# Altium PCB Bike_Gps_v1.PcbDoc
Units mil, origin at the board's own origin, x right, y up, seen from the top; angles counter-clockwise.
Board outline 1968.5 x 2559.06 mil, 2 copper layers (Top Layer, Bottom Layer), stack 61.855 mil thick; 66 components, 50 nets, 256 pads, 54 vias.
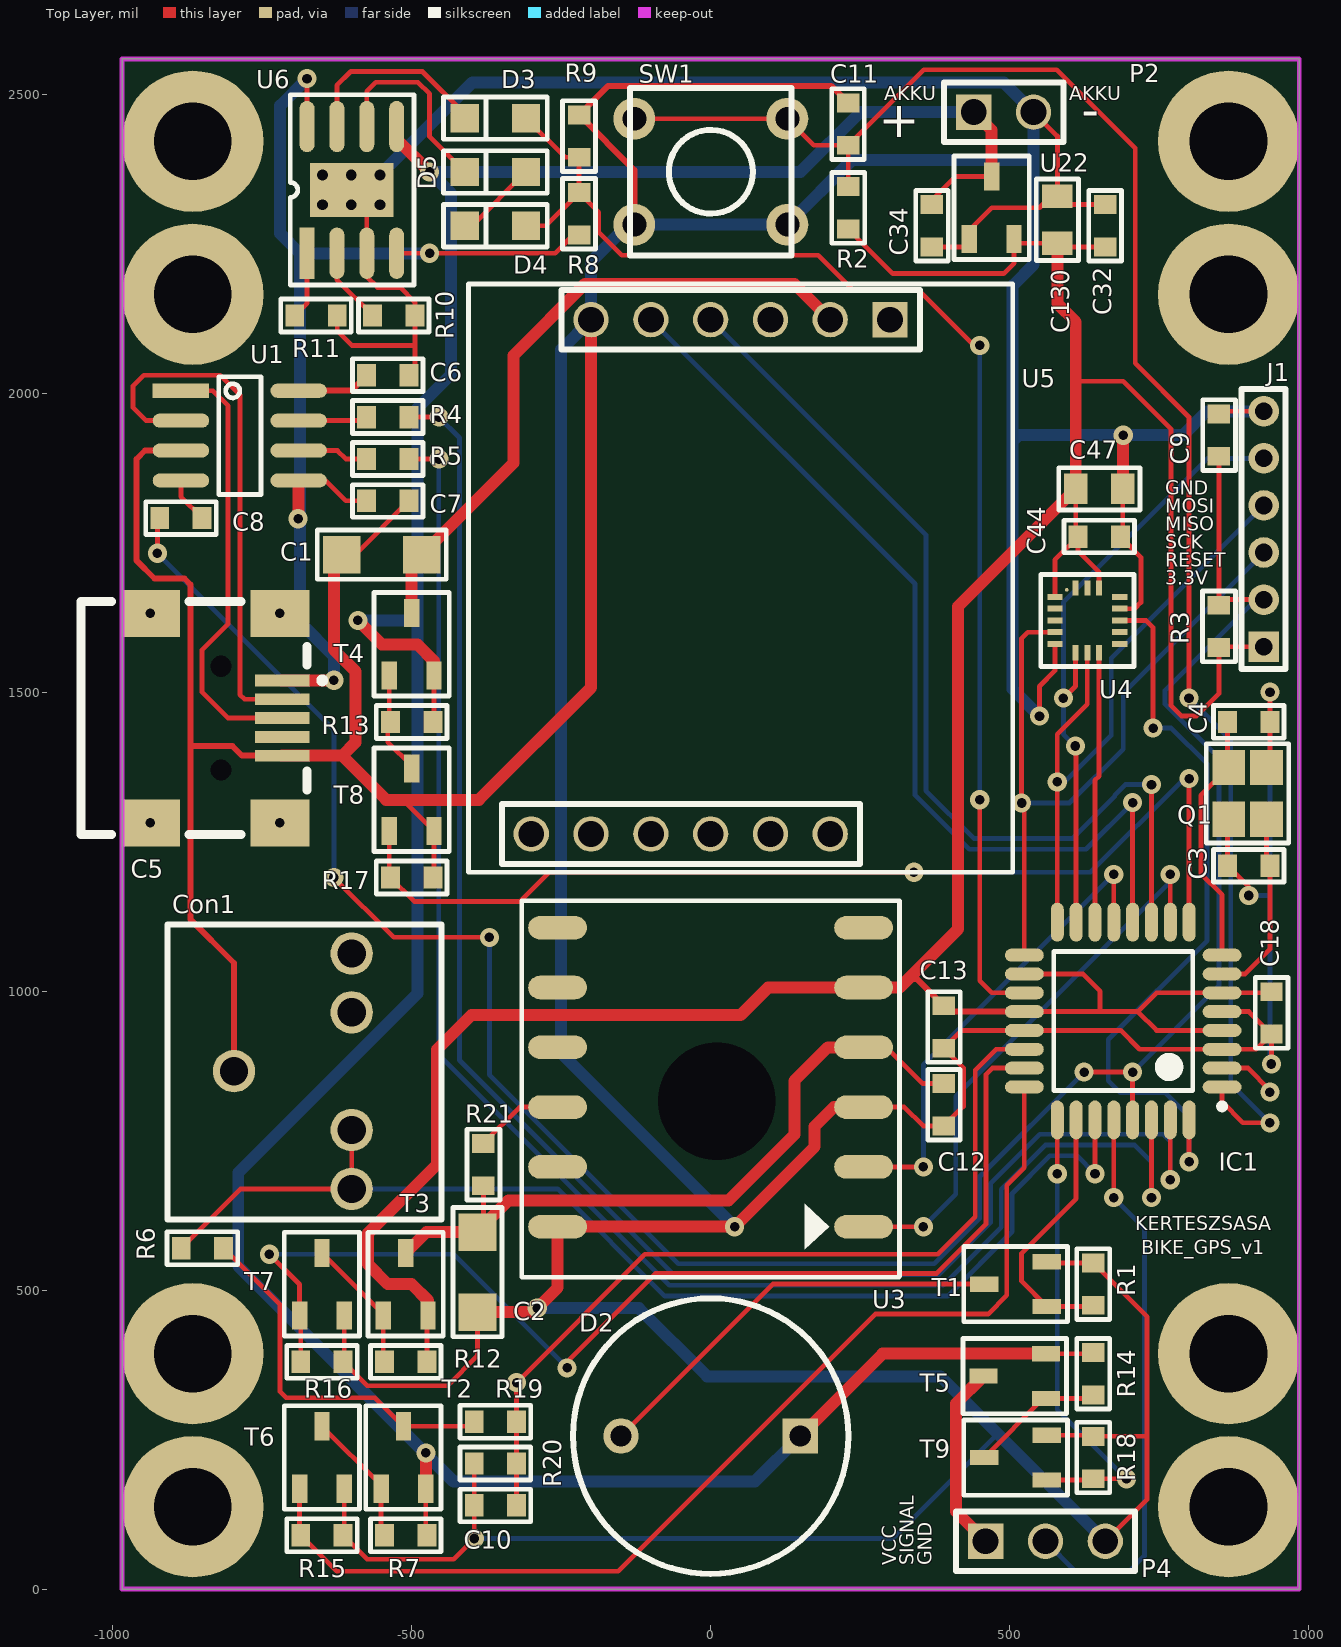
[diagram p0: Top Layer view]
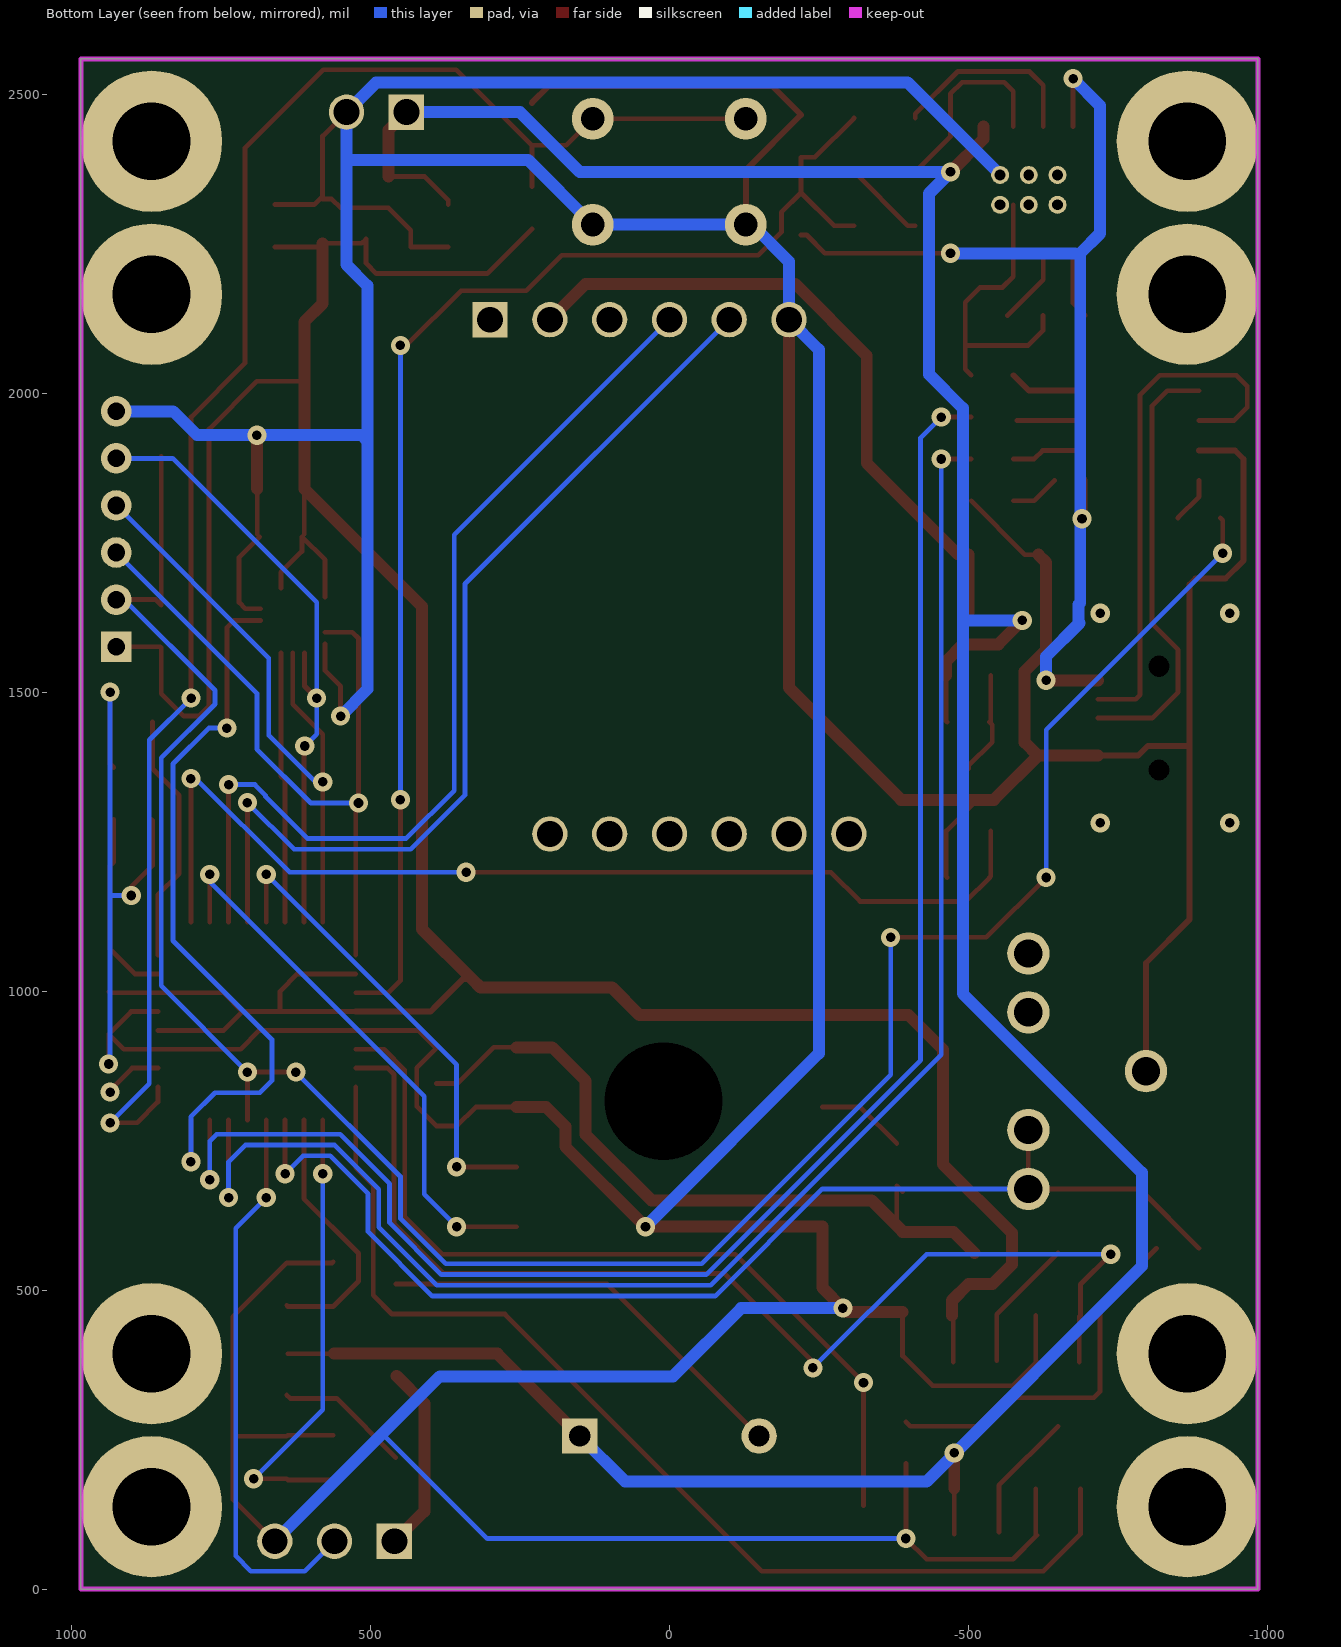
[diagram p1: Bottom Layer view, seen from below]

## Layer stack, top to bottom
Top Solder: solder mask 0.4, Solder Resist, Dk 3.5
Top Layer: signal copper 1.4
Dielectric1: core 59.0551, FR-4, Dk 4.2
Bottom Layer: signal copper 1.4
Bottom Solder: solder mask 0.4, Solder Resist, Dk 3.5

## Board outline
-984.25,0 984.25,0 984.25,2559.06 -984.25,2559.06

## Design rules (kind name [scope] priority, off if disabled: settings)
AssemblyTestPointUsage AssemblyTestPointUsage_1 [All] p1:
AssemblyTestPointUsage [All] p2:
AssemblyTestpoint AssemblyTestpoint_1 [All] p1: testpointundercomponent=TRUE minsize=40 maxsize=100 preferedsize=60 minholesize=0 maxholesize=40 preferedholesize=32 testpointgrid=1 usegrid=TRUE gridtolerance=0.01 allowsidetop=TRUE allowsidebottom=TRUE
AssemblyTestpoint [All] p2: testpointundercomponent=TRUE minsize=40 maxsize=100 preferedsize=60 minholesize=0 maxholesize=40 preferedholesize=32 testpointgrid=1 usegrid=TRUE gridtolerance=0.01 allowsidetop=TRUE allowsidebottom=TRUE
Clearance Clearance_to_ftdi [InComponent('U4') or InComponent('Q1')   or InComponent('IC1')] p1: gap=0
Clearance [All] p2: gap=10
DiffPairsRouting DiffPairsRouting_1 [All] p1: maxlimit=10 minlimit=10 mostfreqgap=10 toplayer_minwidth=15 toplayer_maxwidth=15 toplayer_prefwidth=15 bottomlayer_minwidth=15 bottomlayer_maxwidth=15 bottomlayer_prefwidth=15 maxuncoupledlength=500
DiffPairsRouting [All] p2: maxlimit=10 minlimit=10 mostfreqgap=10 toplayer_minwidth=15 toplayer_maxwidth=15 toplayer_prefwidth=15 bottomlayer_minwidth=15 bottomlayer_maxwidth=15 bottomlayer_prefwidth=15 maxuncoupledlength=500
FabricationTestPointUsage FabricationTestPointUsage_1 [All] p1: valid=0 allowmultiple=FALSE
FabricationTestPointUsage [All] p2: valid=0 allowmultiple=FALSE
FabricationTestpoint FabricationTestpoint_1 [All] p1: side=3 testpointundercomponent=TRUE minsize=40 maxsize=100 preferedsize=60 minholesize=0 maxholesize=40 preferedholesize=32 testpointgrid=1 allowsidetop=TRUE allowsidebottom=TRUE usegrid=TRUE gridtolerance=0.01
FabricationTestpoint [All] p2: side=3 testpointundercomponent=TRUE minsize=40 maxsize=100 preferedsize=60 minholesize=0 maxholesize=40 preferedholesize=32 testpointgrid=1 allowsidetop=TRUE allowsidebottom=TRUE usegrid=TRUE gridtolerance=0.01
Height Height_1 [All] p1: minheight=0 maxheight=1000 prefheight=500
Height [All] p2: minheight=0 maxheight=1000 prefheight=500
HoleSize [All] p1: absolutevalues=TRUE maxlimit=196.85 minlimit=0.98 maxpercent=80.000 minpercent=20.000
HoleToHoleClearance HoleToHoleClearance_1 [All] p1: gap=10 allowstackedmicrovias=TRUE
HoleToHoleClearance [All] p2: gap=10 allowstackedmicrovias=TRUE
LayerPairs LayerPairs_1 [All] p1: enforce=TRUE
LayerPairs [All] p2: enforce=TRUE
MinimumSolderMaskSliver MinimumSolderMaskSliver_to_ftdi [InComponent('U4') or InComponent('Q1')   or InComponent('IC1') vs InComponent('U4') or InComponent('Q1')   or InComponent('IC1')] p1: minsoldermaskwidth=0
MinimumSolderMaskSliver [All] p2: minsoldermaskwidth=10
PasteMaskExpansion PasteMaskExpansion_1 [All] p1: expansion=0
PasteMaskExpansion [All] p2: expansion=0
PlaneClearance PlaneClearance_1 [All] p1: clearance=20
PlaneClearance [All] p2: clearance=20
PlaneConnect PlaneConnect_1 [All] p1: planeconnectstyle=Relief reliefexpansion=20 reliefentries=4 reliefconductorwidth=10 reliefairgap=10
PlaneConnect [All] p2: planeconnectstyle=Relief reliefexpansion=20 reliefentries=4 reliefconductorwidth=10 reliefairgap=10
PolygonConnect PolygonConnect_1 [All] p1: connectstyle=Relief reliefconductorwidth=10 reliefentries=4 polygonreliefangle="90 Angle" airgapwidth=10
PolygonConnect [All] p2: connectstyle=Relief reliefconductorwidth=10 reliefentries=4 polygonreliefangle="90 Angle" airgapwidth=10
RoutingVias [All] p1: holewidth=16 width=32 viastyle="Through Hole" minholewidth=16 minwidth=32 maxholewidth=28 maxwidth=50
SilkToSilkClearance [All] p1: silktosilkclearance=0
SilkToSolderMaskClearance [IsPad] p1: minsilkscreentomaskgap=0 clearancetoexposedcopper=TRUE
SolderMaskExpansion SolderMaskExpansion_1 [All] p1: expansion=4
SolderMaskExpansion [All] p2: expansion=4
Width [All] p1: maxlimit=100 minlimit=8 preferedwidth=10
15 further rules are at their usual default settings.

## Components (designator, comment, footprint, x,y, rotation, side; value= is the part's Value field where it differs from the comment)
C1 "10uF" FP_1206_CAP_085 -550,1730 r180 top
C2 "10uF" FP_1206_CAP_085 -390,530 r90 top
C3 "20pF" FP_0603_CAP_080 900,1210 r0 top
C4 "20pF" FP_0603_CAP_080 900,1450 r180 top
C5 "mini USB" USB/SM0.8-6H5 -826.77,1456.69 r180 top locked
C6 "100nF" FP_0603_CAP_080 -540,2030 r180 top
C7 "100nF" FP_0603_CAP_080 -540,1820 r0 top
C8 "100nF" FP_0603_CAP_080 -885.83,1791.34 r0 top
C9 "100nF" FP_0603_CAP_080 850,1930 r90 top
C10 "100nF" FP_0603_CAP_080 -360,140 r0 top
C11 "100nF" FP_0603_CAP_080 230,2450 r270 top
C12 "100nF" FP_0603_CAP_080 390,810 r90 top
C13 "100nF" FP_0603_CAP_080 390,940 r90 top
C18 "100nF" FP_0603_CAP_080 937.87,963.62 r90 top
C32 "100nF" FP_0603_CAP_080 660,2280 r270 top
C34 "100nF" FP_0603_CAP_080 370,2280 r90 top
C44 "100nF" FP_0603_CAP_080 650,1760 r180 top
C47 "10uF" FP_0805_CAP_085 650,1840 r0 top
C130 "10uF" FP_0805_CAP_085 580,2290 r90 top
Con1 "Stereo_Jack" STEREO_JACK -797.09,866.14 r0 top locked
D2 "Buzzer" Buzzer_MBS12XXX 0,255.91 r180 top locked
D3 "5.6V Zener" FP_SOD323 -360,2460 r0 top
D4 "5.6V Zener" FP_SOD323 -360,2280 r0 top
D5 "5.6V Zener" FP_SOD323 -360,2370 r0 top
IC1 "ATmega328" TQFP32_N 690,950 r180 top locked
J1 "ISP_MINI" AVR_ISP_MINI 925.2,1576.06 r90 top
P2 "BATT" HEADER_2.54MM_M_1x2 490,2470 r270 top
P4 "LEDS" HEADER_2.54MM_M_1x3 560,80 r0 top
Q1 "TSX-3225 16 MHZ" FP_Cristal-3225 897.95,1330.71 r270 top
R1 "1K" FP_0603_RES 640,510 r90 top
R2 "1K" FP_0603_RES 230,2310 r90 top
R3 "1K" FP_0603_RES 850,1610 r270 top
R4 "1K" FP_0603_RES -540,1960 r0 top
R5 "1K" FP_0603_RES -540,1890 r0 top
R6 "1K" FP_0603_RES -850,570 r180 top
R7 "47k" FP_0603_RES -510,90 r0 top
R8 "1K" FP_0603_RES -220,2300 r90 top
R9 "1K" FP_0603_RES -220,2430 r90 top
R10 "1K" FP_0603_RES -530,2130 r180 top
R11 "1K" FP_0603_RES -660,2130 r180 top
R12 "47k" FP_0603_RES -510,380 r0 top
R13 "47k" FP_0603_RES -500,1450 r0 top
R14 "47k" FP_0603_RES 640,360 r90 top
R15 "47k" FP_0603_RES -650,90 r180 top
R16 "47k" FP_0603_RES -650,380 r180 top
R17 "47k" FP_0603_RES -500,1190 r180 top
R18 "47k" FP_0603_RES 640,220 r270 top
R19 "1K" FP_0603_RES -360,280 r180 top
R20 "1K" FP_0603_RES -360,210 r0 top
R21 "1K" FP_0603_RES -380,710 r90 top
SW1 "SW_ tactile" BUTTON_6X6 0,2369.37 r180 top locked
T1 "NCE6003" FET_SOT23 510,510 r0 top
T2 "AO3401A" FET_SOT23 -513.71,220.12 r270 top
T3 "AO3401A" FET_SOT23 -510,510 r270 top
T4 "AO3401A" FET_SOT23 -500,1580 r270 top
T5 "AO3401A" FET_SOT23 508.54,356.29 r0 top
T6 "2N7002K" FET_SOT23 -650,220 r270 top
T7 "2N7002K" FET_SOT23 -650,510 r270 top
T8 "2N7002K" FET_SOT23 -500,1320 r270 top
T9 "2N7002K" FET_SOT23 510,220 r0 top
U1 "CH330N" DIGITAL_SOIC8 -787.4,1929.13 r0 top
U3 "Quectel-L80-R" Quectel-L80-R 0,856.06 r0 top locked
U4 "ST LIS3DHTR" "LGA 16 (3x3x1mm)" 630,1620 r0 top
U5 "Sim800L-board" Sim800L-board 0,1692.91 r270 top locked
U6 "TP4056" Supply_SO8_PWP -600,2340 r90 top
U22 "XC6206P332MR" SUPPLY_SOT23 470,2310 r270 top

## Footprints (in the part's own frame and the unit in brackets; to place one, negate y for a bottom-side part, rotate by r counter-clockwise, add the part's x,y. Pads: shape width x height; smd on the part's side, far side on the other; paste and mask are expansions set on the pad)
AVR_ISP_MINI [mm]
  rect 1.3x1.3 hole 0.75: 1(0,0)
  round 1.3 hole 0.75: 2(2,0) 3(4,0) 4(6,0) 5(8,0) 6(10,0)
  silkscreen extent -0.94,-0.91 10.94,0.94
BUTTON_6X6 [mil]
  round 70 hole 40: 1(-128.25,87.57) 1(127.65,87.57) 2(-128.25,-89.59) 2(127.65,-89.59)
  silkscreen extent -135,-141 135,139, body extent -135,-118 135,118, height 197
Buzzer_MBS12XXX [mm]
  rect 1.5x1.5 hole 0.9: 1(-3.81,0)
  round 1.5 hole 0.9: 2(3.81,0)
  silkscreen extent -5.85,-5.85 5.85,5.85, body extent -9.45,-6 6,6, height 9.65
DIGITAL_SOIC8 [mm]
  rect 2.4x0.6 smd: 1(-2.5,1.905)
  oval 2.4x0.6 smd: 2(-2.5,0.635) 3(-2.5,-0.635) 4(-2.5,-1.905) 5(2.5,-1.905) 6(2.5,-0.635) 7(2.5,0.635) 8(2.5,1.905)
  silkscreen extent -0.9,-2.5 0.9,2.5, body extent -3.03,-2.5 3.03,2.5, height 1.9
FET_SOT23 [mm] "SOT23-3 tok"
  rect 1.2x0.65 smd: D(-1.327,0) G(1.327,-0.95) S(1.327,0.95)
  silkscreen extent -2.2,-1.6 2.2,1.6, body extent -1.27,-1.46 1.27,1.46, height 0.97
FP_0603_CAP_080 [mm] "0.8mm magas 0603 kapacitás"
  rect 0.8x0.95 smd: 1(-0.9,0) 2(0.9,0)
  silkscreen extent -1.5,-0.7 1.5,0.69, body extent -0.8,-0.4 0.76,0.4, height 0.8
FP_0603_RES [mm] "0603 ellenállás"
  rect 0.8x0.95 smd: 1(-0.9,0) 2(0.9,0)
  silkscreen extent -1.5,-0.7 1.5,0.7, body extent -0.8,-0.4 0.8,0.4, height 0.44
FP_0805_CAP_085 [mm] "0805 kapacitás YAGEO 0.85mm magas"
  rect 1x1.3 smd: 1(-1,0) 2(1,0)
  silkscreen extent -1.73,-0.9 1.73,0.9, body extent -1,-0.64 1.03,0.64, height 0.85
FP_1206_CAP_085 [mm] "1206 kapacitás 0.85 mm"
  rect 1.6x1.6 smd: 1(-1.7,0) 2(1.7,0)
  silkscreen extent -2.74,-1.04 2.74,1.04, body extent -1.52,-0.79 1.58,0.79, height 0.85
FP_Cristal-3225 [mm]
  rect 1.5x1.4 smd: 1(-1.1,-0.8) 2(1.1,-0.8) 3(1.1,0.8) 4(-1.1,0.8)
  silkscreen extent -2.11,-1.75 2.11,1.75, body extent -1.6,-1.25 1.6,1.25, height 0.61
FP_SOD323 [mm] "SOD323-F (SC-90)"
  rect 1.2x1.2 smd: A(1.3,0) K(-1.3,0)
  silkscreen extent -2.2,-0.9 2.2,0.9, body extent -1.3,-0.67 1.3,0.68, height 1.1
HEADER_2.54MM_M_1x2 [mm] "2×1 tüskesor"
  rect 1.5x1.5 hole 1.1: 1(0,-1.27)
  round 1.5 hole 1.1: 2(0,1.27)
  silkscreen extent -1.27,-2.54 1.27,2.54, body extent -1.27,-2.51 1.27,2.52, height 8.54
HEADER_2.54MM_M_1x3 [mm] "3×1 tüskesor"
  rect 1.5x1.5 hole 1.1: 1(-2.54,0)
  round 1.5 hole 1.1: 2(0,0) 3(2.54,0)
  silkscreen extent -3.81,-1.27 3.81,1.27, body extent -3.78,-1.27 3.79,1.27, height 8.54
"LGA 16 (3x3x1mm)" [mm]
  round 0.15 smd: 0(-0.875,1.3)
  rect 0.65x0.25 smd: 1(-1.375,1) 2(-1.375,0.5) 3(-1.375,0) 4(-1.375,-0.5) 5(-1.375,-1) 9(1.375,-1) 10(1.375,-0.5) 11(1.375,0) 12(1.375,0.5) 13(1.375,1)
  rect 0.25x0.65 smd: 6(-0.5,-1.375) 7(0,-1.375) 8(0.5,-1.375) 14(0.5,1.375) 15(0,1.375) 16(-0.5,1.375)
  silkscreen extent -1.98,-1.96 1.98,1.96, body extent -1.5,-1.47 1.5,1.53, height 1.01
Quectel-L80-R [mm]
  oval 2.5x1 smd: 1(6.5,-6.35) 2(6.5,-3.81) 3(6.5,-1.27) 4(6.5,1.27) 5(6.5,3.81) 6(6.5,6.35) 7(-6.5,6.35) 8(-6.5,3.81) 9(-6.5,1.27) 10(-6.5,-1.27) 11(-6.5,-3.81) 12(-6.5,-6.35)
  round 0 hole 5 unplated: 13(0.254,-1.016)
  silkscreen extent -8.03,-8.5 8.03,7.5, body extent -8,-8.51 8,7.49, height 7.05
Sim800L-board [mm]
  rect 1.5x1.5 hole 1.1: 1(-10.922,7.62)
  round 1.5 hole 1.1: 2(-10.922,5.08) 3(-10.922,2.54) 4(-10.922,0) 5(-10.922,-2.54) 6(-10.922,-5.08) 7(10.922,-7.62) 8(10.922,-5.08) 9(10.922,-2.54) 10(10.922,0) 11(10.922,2.54) 12(10.922,5.08)
  silkscreen extent -12.44,-10.28 12.55,12.83, body extent -12.45,-10.31 12.55,12.82, height 7.1
STEREO_JACK [mm] "JACK 3.5mm ANYA 90° JS35-09 (T-T) LEVÁL. NYÁK SZTEREO 90° A-V [43-08-39]"
  round 1.8 hole 1.2: 1(0,0) 2(5,2.5) 2(5,5) 3(5,-5) 3(5,-2.5)
  silkscreen extent -2.82,-6.3 8.81,6.22, body extent -6.33,-6.13 8.67,6.07, height 11.5
Supply_SO8_PWP [mil] "SOIC8 powerpad tok"
  rect 86x25 smd: 1(-106,75)
  oval 86x25 smd: 2(-106,25) 3(-106,-25) 4(-106,-75) 5(106,-75) 6(106,-25) 7(106,25) 8(106,75)
  round 30 hole 18: 9(-25,49) 9(-25,1) 9(-25,-47) 9(25,49) 9(25,1) 9(25,-47)
  rect 90x140 smd: 9(0,0)
  silkscreen extent -159,-104 159,103, body extent -119,-98 119,98, height 75
SUPPLY_SOT23 [mm] "SOT23-3 tok"
  rect 1.2x0.65 smd: GND(1.327,-0.95) VIN(-1.327,0) VOUT(1.327,0.95)
  silkscreen extent -2.2,-1.6 2.2,1.6, body extent -1.27,-1.46 1.27,1.46, height 0.97
TQFP32_N [mm] "Thin QFP, 32-Leads, Body 7x7mm, Pitch 0.8mm, IPC Medium Density"
  oval 1.65x0.55 smd: 1(-4.2,2.8) 2(-4.2,2) 3(-4.2,1.2) 4(-4.2,0.4) 5(-4.2,-0.4) 6(-4.2,-1.2) 7(-4.2,-2) 8(-4.2,-2.8) 17(4.2,-2.8) 18(4.2,-2) 19(4.2,-1.2) 20(4.2,-0.4) 21(4.2,0.4) 22(4.2,1.2) 23(4.2,2) 24(4.2,2.8)
  oval 0.55x1.65 smd: 9(-2.8,-4.2) 10(-2,-4.2) 11(-1.2,-4.2) 12(-0.4,-4.2) 13(0.4,-4.2) 14(1.2,-4.2) 15(2,-4.2) 16(2.8,-4.2) 25(2.8,4.2) 26(2,4.2) 27(1.2,4.2) 28(0.4,4.2) 29(-0.4,4.2) 30(-1.2,4.2) 31(-2,4.2) 32(-2.8,4.2)
  silkscreen extent -4.33,-2.95 2.95,3.75, body extent -3.5,-3.5 3.5,3.5, height 1.2
USB/SM0.8-6H5 [mm] "Connector; USB2.0, Type B, SM; 5 Position; Right Angle"
  rect 2.3x0.5 smd: 1(-2.8,-1.6) 2(-2.8,-0.8) 3(-2.8,0) 4(-2.8,0.8) 5(-2.8,1.6)
  rect 2.5x2 smd: 6(-2.7,4.45) 7(2.8,4.45) 8(-2.7,-4.45) 9(2.8,-4.45)
  round 0.6 hole 0.9 unplated: MH1(-0.2,2.2) MH2(-0.2,-2.2)
  silkscreen extent -4.62,-4.95 5.75,4.95, body extent -3.51,-5.35 5.69,5.35, height 3.95

## Part data
C1 C2: library part Cap, "Capacitor ceramic X7R"
C3 C4 C6 C7 C8 C9 C10 C11 C12 C13 C18 C32 C34: library part Cap, "Capacitor"
C44 C47 C130: library part CAP, "Capacitor"
D3 D4 D5: "5.6V ±5% 300mW 1uA @ 2.5V SOD-323 Zener Diodes RoHS"
P2: library part "Header 1X2", "Header, 2-Pin"
P4: library part "Header 1X3", "Header, 3-Pin"
Q1: library part "TSX-3225 25 MHZ", "CRYSTAL, TSX-3225, 16 MHZ, 9 PF"
R1 R2 R3 R4 R5 R6 R8 R9 R10 R11 R19 R20 R21: library part RES, "Resistor"
R7 R12 R13 R14 R15 R16 R17 R18: library part Res1, "Resistor"
T1: library part NMOS, "N Channel 60V 3A 2V @ 250uA 105 m? @ 3A,10V 1.7W SOT-23(SOT-23-3) MOSFET RoHS"
T2 T3 T4 T5: library part PMOS, "P Channel 30V 4.1A 1.3V @ 250uA 65 m? @ 4.2A,10V 350mW SOT-23 MOSFET RoHS"
T6 T7 T8 T9: library part NMOS, "N-Channel MOSFET"
U1: "Transceiver USB 2.0 2Mbps SOP-8_150mil USB ICs RoHS"
U3: "Quectel GPS module with embedded antenna"
U4: "ST LIS3DHTR 3 axis accelerometer"
U5: "Sim800L devboard with nano sim slot"
U6: "1A Li-on battery charger"
U22: "Fixed 36V 5V 250mA SOT-23(SOT-23-3) Low Dropout Regulators(LDO) RoHS"

## Free pads (board coordinates)
  round 236.22 hole 129.92: 0(-866.14,137.8) 0(-866.14,393.7) 0(-866.14,2165.35) 0(-866.14,2421.26) 0(866.14,137.8) 0(866.14,393.7) 0(866.14,2165.35) 0(866.14,2421.26)

## Via types
v1: diameter 32, hole 16, Top Layer to Bottom Layer, tented both sides, 53 vias
v2: diameter 32, hole 16, Top Layer to Bottom Layer, 1 vias

## Nets (pads, with @x,y where several pads share a name; then routed paths per layer and width w, separated by ;. In a path a pad name is that pad's centre, name@x,y a point inside that pad or via, vN(x,y) a via of type N, cw(c..) or ccw(c..) an arc to the next point about the centre after c; other vN are vias at no path point)
1WIRE: Con1.3 IC1.27 R6.2 | length 1978.9
  Top Layer w8: R6.2 -786.14,669.29 -600.24,669.29 Con1.3@-600.24,767.72 ; v1(642.76,694.65) IC1.27
  Bottom Layer w8: Con1.3@-600.24,669.29 -255.66,669.29 -76.37,490 396.37,490 504,597.63 504,661.31 567.34,724.65 612.76,724.65 v1(642.76,694.65)
3V3: C13.2 C18.2 C32.2 C44.2 C47.1 C130.1 IC1.4 IC1.6 IC1.18 IC1.20 J1.1 R2.1 R3.2 R12.2 T3.S U3.5 U4.1 U4.14 U22.VOUT | length 5518.4
  Top Layer w8: R12.2 T3.S@-474.57,455.79 ; R2.1 304.57,2200 490,2200 507.4,2217.4 U22.VOUT 514.53,2250.63 C130.1 586.06,2244.57 C32.2 ; IC1.20 650,965.75 ; IC1.18 622.52,1028.74 651.26,1000 651.26,967.01 650,965.75 ; U4.1 575.87,1721.3 C44.2 614.57,1735.43 649.69,1700.31 U4.14 ; C44.2@610.63,1763.94 C47.1 ; 610.63,2020 690,2020 770,1940 770,1477.57 787.57,1460 812.43,1460 850,1497.57 R3.2 851.5,1576.06 J1.1 ; IC1.4 745.75,934.25 714.25,965.75 ; C18.2 936.06,997.24 IC1.6 745.75,997.24 714.25,965.75 ; 650,965.75 714.25,965.75
  Top Layer w10: 330,1020 345.43,1020 C13.2 399.69,965.75 IC1.20
  Top Layer w20: T3.S -472.6,482.6 -500,510 -540,510 -572.99,542.99 -572.99,595.15 -457.33,710.82 -457.33,902.76 -400.09,960 50,960 96.06,1006.06 U3.5 316.06,1006.06 330,1020 414,1104 414,1643.37 C47.1 610.63,2020 610.63,2119.37 580,2150 C130.1
5V: C5.1 C7.1 R8.1 U1.5 U6.4 U6.8 | length 1902.5
  Top Layer w8: U6.8 v1(-675,2526) ; U1.5@-644.13,1854.13 -610,1820 C7.1 ; U6.4 v1(-470,2234) -260,2234 -229.43,2264.57 R8.1
  Top Layer w20: C5.1 v1@-630,1519.68 ; v1(-690,1790) -688.98,1791.02 U1.5
  Bottom Layer w20: -678,2234 v1(-470,2234) ; v1(-675,2526) -720,2481 -720,2267 -687,2234 -687,1649.33 -684.47,1646.8 -684.47,1616.98 -685.73,1615.73 -630,1560 v1(-630,1520)
ACC_CS: IC1.14 U4.8 | length 453.4
  Top Layer w8: IC1.14 642.76,1352.76 649.69,1359.69 U4.8
ACC_INT: IC1.32 U4.11 | length 1247.9
  Top Layer w8: U4.11 728.02,1620 740,1608.02 v1(740,1440) ; v1(800.24,714.65) IC1.32
  Bottom Layer w8: v1(740,1440) 770.24,1440 830.24,1380 830.24,1084.49 664.88,919.13 664.88,850 684.88,830 760,830 800.24,789.76 v1(800.24,714.65)
AD&1WIRE_EN: IC1.24 R15.2 T6.G | length 1833.1
  Top Layer w8: R15.2@-687.4,91.97 T6.G ; R15.2 -625.43,30 -154.76,30 275.24,460 463.97,460 495.37,491.4 495.37,675.37 524.65,704.65 IC1.24
AD&1WIRE_VCC: R6.1 R19.2 T2.D | length 630.8
  Top Layer w8: R6.1 -720,475.43 -720,330 -710,320 -561.34,320 T2.D -403.07,272.37 R19.2
AD_BATT: C10.2 IC1.22 R19.1 R20.2 | length 1429.3
  Top Layer w8: C10.2 R19.1 v1(-324.57,345.43) -110,560 380,560 442.63,622.63 442.63,868.09 477.3,902.76 IC1.22
AD_CHG: D3.A D4.A IC1.19 R8.2 R9.1 | length 2227.8
  Top Layer w8: D4.A -275.43,2280 R8.2 ; D3.A -243.39,2394.57 R9.1 R8.2 ; v1(450,1320) 450,1017.24 470,997.24 IC1.19 ; v1(450,2080) 440,2080 348.54,2171.46 239.32,2171.46 180,2230.78 -148.55,2230.78 -187.3,2269.53 -187.3,2302.73 R8.2
  Bottom Layer w8: v1(450,1320) v1(450,2080)
BATT: C34.2 D2.1 P2.1 R7.2 R13.2 R14.2 T2.S T4.S T5.S U6.5 U22.VIN | length 5446.4
  Top Layer w8: R7.2@-476.31,91.74 T2.S ; R13.2 -462.6,1451.97 T4.S ; C34.2 370,2322.99 409.25,2362.24 U22.VIN ; T5.S R14.2@638.26,393.69
  Top Layer w20: v1(-590,1620) -550,1580 -490.57,1580 -462.6,1552.03 T4.S ; U6.5 -525,2425 v1(-470,2370) ; T2.S v1(-476.31,227.88) ; D2.1 287.79,393.69 T5.S ; P2.1 470,2440 U22.VIN
  Bottom Layer w20: v1(-590,1620) -490.57,1620 ; D2.1 74.09,180 -430,180 -790,540 -790,696.41 -490.57,995.84 -490.57,1620 ; P2.1 250,2470 150,2370 v1(-470,2370) -434,2334 -434,2031.48 -490.57,1974.91 -490.57,1620
BUTTON: C11.2 IC1.1 R2.2 SW1.2 | length 2875
  Top Layer w8: SW1.2@-127.65,2458.96 128.25,2458.96 172.65,2414.57 C11.2 ; R2.2 C11.2 ; v1(800,1490) 800,1960 710,2050 710,2410 578.94,2541.06 356.49,2541.06 C11.2 ; IC1.1 855.35,814.65 890.24,779.76 v1(935.35,779.76)
  Bottom Layer w8: v1(800,1490) 870,1420 870,845.12 v1(935.35,779.76)
BUZZER: IC1.26 R1.1 T1.G | length 445.9
  Top Layer w8: IC1.26 611.26,652.63 520,561.37 520,514.83 T1.G 638.03,472.59 R1.1
GND: C1.2 C2.1 C3.1 C4.1 C5.5 C6.1 C7.2 C9.2 C10.1 C11.1 C12.1 C13.1 C18.1 C32.1 C34.1 C44.1 C47.2 C130.2 Con1.1 IC1.3 IC1.5 IC1.21 J1.6 P2.2 P4.3 Q1.2 Q1.4 R1.2 R9.2 R10.1 R11.1 R15.1 R16.1 R17.1 R18.1 R20.1 SW1.1 T1.S T6.S T7.S T8.S T9.S U1.3 U3.3 U3.12 U4.5 U4.12 U5.6 U6.3 U6.9 U22.GND | length 17284.1
  Top Layer w8: R11.1 -624.57,2104.57 -600,2080 -494.57,2080 ; C1.2 -594.57,1730 C7.2 ; R15.1 -574.57,50 -430,50 v1(-395.43,84.57) C10.1 R20.1 ; R16.1 -574.57,340 -440,340 -390,390 C2.1 ; R15.1@-612.6,91.97 T6.S ; R16.1@-612.6,381.97 T7.S ; U6.9@-575,2315 U6.3 -575,2195 -557,2177 -519.44,2177 -494.57,2152.13 R10.1 -494.57,2080 ; -514.84,1320 T8.S -462.6,1191.97 R17.1 ; C6.1 -494.57,2040 -494.57,2080 ; U3.3 323.94,806.06 355.43,774.57 C12.1 422.7,807.27 422.7,871.87 C13.1 419.69,934.25 IC1.21 685.75,934.25 717.24,902.76 IC1.3 912.44,902.76 C18.1 ; C34.1 432.6,2244.57 U22.GND 432.6,2272.6 470,2310 550,2310 564.62,2324.62 580,2324.62 C130.2 ; P2.2 580,2430 C130.2 ; v1(550,1460) 550,1510 575.87,1535.87 U4.5 ; T1.S 564.21,545.43 R1.2 730,455.43 730,150 P4.3 ; T9.S 638.03,257.4 R18.1 725.43,255.43 ; C32.1 593.94,2315.43 C130.2 ; U4.12 709.37,1639.69 719.69,1650 719.69,1725.75 C44.1 ; C44.1@689.37,1763.94 C47.2 ; C9.2 854.33,1969.76 J1.6 ; IC1.5 900.31,965.75 C18.1 ; Q1.2 864.57,1285.51 C3.1 900,1174.57 v1(900,1160) ; Q1.4 935.43,1380 C4.1 v1(935.43,1500) ; v1(937.87,878.19) C18.1
  Top Layer w10: U1.3 -945.87,1904.13 -960,1890 -960,1720 -930,1690 -880,1690 -870,1680 -870,1410 ; Con1.1 -797.09,1047.09 -870,1120 -870,1410 ; C5.5 -783.7,1393.7 -800,1410 -870,1410 ; SW1.1@-127.65,2281.8 -127.65,2373.09 R9.2 -171.47,2513.96 201.47,2513.96 C11.1
  Top Layer w20: C5.5 -616.3,1393.7 ; C1.2 -630,1716.93 -630,1570.91 -594,1534.91 -594,1416 -616.3,1393.7 ; C2.1 -296.93,463.07 v1(-290,470) -255.91,504.09 U3.12 v1(40.01,606.06) 173.94,740 173.94,773.94 206.06,806.06 U3.3 ; U5.6 -200,1507.57 -387.57,1320 -514.84,1320 -542.59,1320 -616.3,1393.7 ; C47.2 690,1840.63 v1(690,1929.76)
  Bottom Layer w8: v1(-395.43,84.57) 304.57,84.57 480,260 ; v1(900,1160) 935.43,1160 ; v1(935.43,1500) 935.43,1160 ; v1(937.87,878.19) 935.43,880.63 935.43,1160
  Bottom Layer w20: U6.9@-553,2365 -398.47,2519.53 490.47,2519.53 P2.2 540,2390 ; v1(-290,470) -120,470 -5.91,355.91 384.09,355.91 480,260 P4.3 ; v1(40.01,606.06) -250,896.07 -250,2072.91 U5.6 -200,2220 -138.2,2281.8 -127.65,2281.8 128.25,2281.8 236.45,2390 540,2390 ; v1(550,1460) 505.09,1504.91 505.09,1920 ; J1.6 830,1969.76 790,1929.76 v1(690,1929.76) 514.86,1929.76 505.09,1920 ; 505.09,1920 505.09,2180 540,2214.91 540,2390
GPS_EN: IC1.23 R16.2 T7.G | length 1900.3
  Top Layer w8: v1(-738.02,560) -687.4,509.39 T7.G ; R16.2 T7.G@-685.43,455.79 ; v1(-240,370) -240,380 -92,528 378,528 460.63,610.63 460.63,860.63 471.26,871.26 IC1.23
  Bottom Layer w8: v1(-738.02,560) -430,560 v1(-240,370)
GPS_RX: IC1.10 U3.1 | length 940.3
  Top Layer w8: U3.1 v1(355.91,606.06) ; IC1.10 v1(768.74,1195.35)
  Bottom Layer w8: v1(355.91,606.06) 410,660.16 410,824.25 768.74,1182.99 v1(768.74,1195.35)
GPS_TX: IC1.13 U3.2 | length 801.2
  Top Layer w8: U3.2 v1(355.91,706.06) ; IC1.13 v1(674.25,1195.35)
  Bottom Layer w8: v1(355.91,706.06) 355.91,877.01 v1(674.25,1195.35)
GPS_VCC: C2.2 C12.2 R21.1 T3.D U3.4 | length 1191.6
  Top Layer w8: R21.1@-390,664.57 R21.1 ; C2.2@-380,608 R21.1@-380,664.57 ; U3.4 293.94,906.06 354.57,845.43 C12.2
  Top Layer w20: T3.D -475.31,596.93 C2.2 -390,598 -380,608 -338,650 30,650 140,760 140,850 196.06,906.06 U3.4
GSM_EN: IC1.9 R17.2 T8.G | length 1755.9
  Top Layer w8: T8.G -537.4,1191.97 R17.2 -495.43,1150 -318.76,1150 -270,1198.76 v1(340,1198.76) ; IC1.9 v1(800.24,1355.35)
  Bottom Layer w8: v1(340,1198.76) 635.23,1198.76 791.83,1355.35 v1(800.24,1355.35)
GSM_RX: IC1.11 U5.4 | length 1615.5
  Top Layer w8: IC1.11 v1(737.24,1345.35)
  Bottom Layer w8: U5.4 360,1762.91 360,1335.46 440.1,1255.35 605.35,1255.35 675.75,1325.75 675.75,1327.78 693.32,1345.35 v1(737.24,1345.35)
GSM_TX: IC1.12 U5.5 | length 1611.6
  Top Layer w8: IC1.12 v1(705.75,1315.35)
  Bottom Layer w8: U5.5 342,1680.91 342,1328 432.65,1237.35 627.75,1237.35 v1(705.75,1315.35)
GSM_VCC: C1.1 T4.D U5.2 | length 1115.5
  Top Layer w20: T4.D -500,1730 C1.1 -330,1883.07 -330,2062.95 -210.19,2182.76 140.15,2182.76 U5.2
LED: IC1.28 P4.2 | length 947.1
  Top Layer w8: v1(674.25,654.65) IC1.28
  Bottom Layer w8: P4.2 610,30 700,30 725.43,55.43 725.43,603.46 v1(674.25,654.65)
LED_EN: IC1.25 R18.2 T9.G | length 782
  Top Layer w8: T9.G 638.03,182.6 R18.2 v1(695.43,184.57) ; v1(579.76,694.65) IC1.25
  Bottom Layer w8: v1(579.76,694.65) 579.76,300.24 v1(695.43,184.57)
LED_VCC: P4.1 T5.D | length 316.2
  Top Layer w20: T5.D 410,310 410,130 P4.1
MISO: IC1.16 J1.4 U4.7 | length 1084.1
  Top Layer w8: IC1.16 v1(579.76,1350) 579.76,1429.76 630,1480 U4.7
  Bottom Layer w8: v1(579.76,1350) 592.43,1350 670,1427.57 670,1557.09 J1.4
MOSI: IC1.15 J1.5 U4.6 | length 1062.8
  Top Layer w8: v1(590,1490) 610.32,1510.32 U4.6 ; v1(610,1410) 611.26,1408.74 IC1.15
  Bottom Layer w8: v1(610,1410) 590,1430 v1(590,1490) 590,1650 831.02,1891.02 J1.5
NetC5_2: C5.2 U1.2 | length 900.6
  Top Layer w8: U1.2 -944.13,1954.13 -966.25,1976.25 -966.25,2011.96 -948.21,2030 -820,2030 -787.18,1997.18 -787.18,1495.84 -779.53,1488.19 C5.2
NetC5_3: C5.3 U1.1 | length 737.9
  Top Layer w8: U1.1 -832.43,2004.13 -807.09,1978.79 -807.09,1614.17 -850.62,1570.64 -850.62,1500.22 -807.09,1456.69 C5.3
NetC6_2: C6.2 U1.8 | length 124.3
  Top Layer w10: U1.8 -601.3,2004.13 C6.2
NetC8_2: C8.2 U1.4 | length 77.5
  Top Layer w8: U1.4 -885.83,1826.77 C8.2
NetD2_2: D2.2 T1.D | length 713
  Top Layer w8: D2.2 104.09,510 T1.D
NetD3_K: D3.K U6.7 | length 328.8
  Top Layer w8: U6.7 -625,2515 -602,2538 -482.03,2538 -411.18,2467.15 D3.K
NetD4_K: D4.K D5.A | length 139.6
  Top Layer w8: D4.K -398.82,2280 D5.A
NetD5_K: D5.K U6.6 | length 333.2
  Top Layer w8: U6.6 -575,2505 -560,2520 -489.49,2520 -470,2500.51 -470,2428.82 D5.K
NetR4_1: R4.1 U1.7 | length 107.7
  Top Layer w8: U1.7 R4.1@-581.3,1954.13
NetR5_1: R5.1 U1.6 | length 119.4
  Top Layer w8: U1.6 -624.13,1904.13 -610,1890 R5.1
NetR7_1: R7.1 T2.G T6.D | length 217.5
  Top Layer w8: T6.D -551.11,173.35 T2.G R7.1@-551.11,95.68
NetR10_2: R10.2 U6.2 | length 128.7
  Top Layer w8: U6.2 -625,2189.57 R10.2
NetR11_2: R11.2 U6.1 | length 112.5
  Top Layer w8: R11.2 -675,2150.43 U6.1
NetR12_1: R12.1 T3.G T7.D | length 222.8
  Top Layer w8: T7.D -547.4,459.65 T3.G R12.1@-547.4,381.97
NetR13_1: R13.1 T4.G T8.D | length 174.8
  Top Layer w8: T4.G -537.4,1451.97 R13.1 -540,1445.43 -540,1416.61 -500,1376.61 T8.D
NetR14_1: R14.1 T5.G T9.D | length 225.6
  Top Layer w8: T9.D 556.65,318.89 T5.G 634.32,318.89 R14.1
NetR21_2: R21.2 U3.10 | length 149.2
  Top Layer w8: R21.2 -319.37,806.06 U3.10
PC_RXD: IC1.30 R5.2 | length 2734
  Top Layer w8: R5.2 v1(-454.57,1890) ; v1(737.24,654.65) IC1.30
  Bottom Layer w8: v1(-454.57,1890) -454.57,893.66 -68.91,508 388.91,508 486,605.09 486,668.76 559.88,742.65 709.24,742.65 737.24,714.65 v1(737.24,654.65)
PC_TXD: IC1.31 R4.2 | length 2781.9
  Top Layer w8: R4.2 v1(-454.57,1960) ; v1(768.74,684.65) IC1.31
  Bottom Layer w8: v1(-454.57,1960) -420,1925.43 -420,884.54 -61.46,526 381.46,526 468,612.54 468,678 550.65,760.65 757.37,760.65 768.74,749.28 v1(768.74,684.65)
RESET: C8.1 C9.1 IC1.29 J1.2 R3.1 | length 4008.7
  Top Layer w8: v1(-925.2,1732.28) -925.2,1787.4 C8.1 ; v1(-630,1190) -530,1090 v1(-370,1090) ; v1(624.65,864.65) v1(705.75,864.65) IC1.29 ; C9.1 R3.1 859.37,1654.8 J1.2
  Bottom Layer w8: v1(-925.2,1732.28) -630,1437.09 v1(-630,1190) ; v1(-370,1090) -370,860 -54,544 374,544 450,620 450,690 v1(624.65,864.65) ; v1(705.75,864.65) 850,1008.9 850,1390 760,1480 760,1502.89 911.91,1654.8 J1.2
SCK: IC1.17 J1.3 U4.4 | length 1225.4
  Top Layer w8: IC1.17 524.65,1310 v1(520,1314.65) 520,1590 530.32,1600.32 U4.4
  Bottom Layer w8: v1(520,1314.65) 600,1314.65 690,1404.65 690,1498.35 J1.3
UNUSED: IC1.2 | length 98.6
  Top Layer w8: IC1.2 898.74,871.26 935.35,834.65 v2(935.35,831.26)
XTAL1: C3.2 IC1.7 Q1.3 | length 317
  Top Layer w8: IC1.7 894.17,1028.74 935.43,1070 C3.2 929.45,1215.98 Q1.3
XTAL2: C4.2 IC1.8 Q1.1 | length 424.4
  Top Layer w8: IC1.8 855.35,1161.34 820,1196.69 820,1327.56 Q1.1 864.57,1375.91 C4.2
pads on no net: C5.4 C5.6 C5.7 C5.8 C5.9 C5.MH1 C5.MH2 Con1.2 U3.6 U3.7 U3.8 U3.9 U3.11 U3.13 U4.0 U4.2 U4.3 U4.9 U4.10 U4.13 U4.15 U4.16 U5.1 U5.3 U5.7 U5.8 U5.9 U5.10 U5.11 U5.12
copper on no net:
  other v1: -937.01,1281.5 -720.47,1281.5 -937.01,1631.89 -720.47,1631.89

## Keep-outs
Keep-Out Layer:
  the board outline again, w8

## Silkscreen, mask and mechanical layers (free items; w line width, h text height)
Top Overlay:
  text "AKKU" at 290,2490 h23
  text "AKKU" at 600,2490 h23
  text "-" at 650,2490 h60 r180
  text "+" at 350,2480 h60 r180
  text "GND" at 760,1830 h23
  text "MOSI" at 760,1800 h23
  text "MISO" at 760,1770 h23
  text "SCK" at 760,1740 h23
  text "RESET" at 760,1710 h23
  text "3.3V" at 760,1680 h23
  text "KERTESZSASA" at 710,600 h23
  text "BIKE_GPS_v1" at 720,560 h23
  text "VCC" at 310,40 h23 r90
  text "SIGNAL" at 340,40 h23 r90
  text "GND" at 370,40 h23 r90
Mechanical 15:
  circle w10: c0.33,728.35 r204.72
  circle w10: c0.33,1141.73 r204.72
  circle w10: c0,1555.12 r204.72
  circle w10: c0,1968.5 r204.72

## Dimensions
984.25,0 to 984.25,2559.06 on Keep-Out Layer
-984.25,0 to 984.25,0 on Keep-Out Layer

## Text inside footprints (layer, text, board x,y; h text height)
C5: Mechanical 1 "PCB Edge" at -1042.61,1615.61 h9.84 r270